# Altium PCB FINAL_PCB_VER1.PcbDoc (part 2 of 4)
Units mil, origin at the board's own origin, x right, y up, seen from the top; angles counter-clockwise.
Board outline 4655 x 4049 mil, 4 copper layers (Top Layer, Mid Layer 1, Mid Layer 2, Bottom Layer), stack 23.756 mil thick; 337 components, 279 nets, 1257 pads, 622 vias.
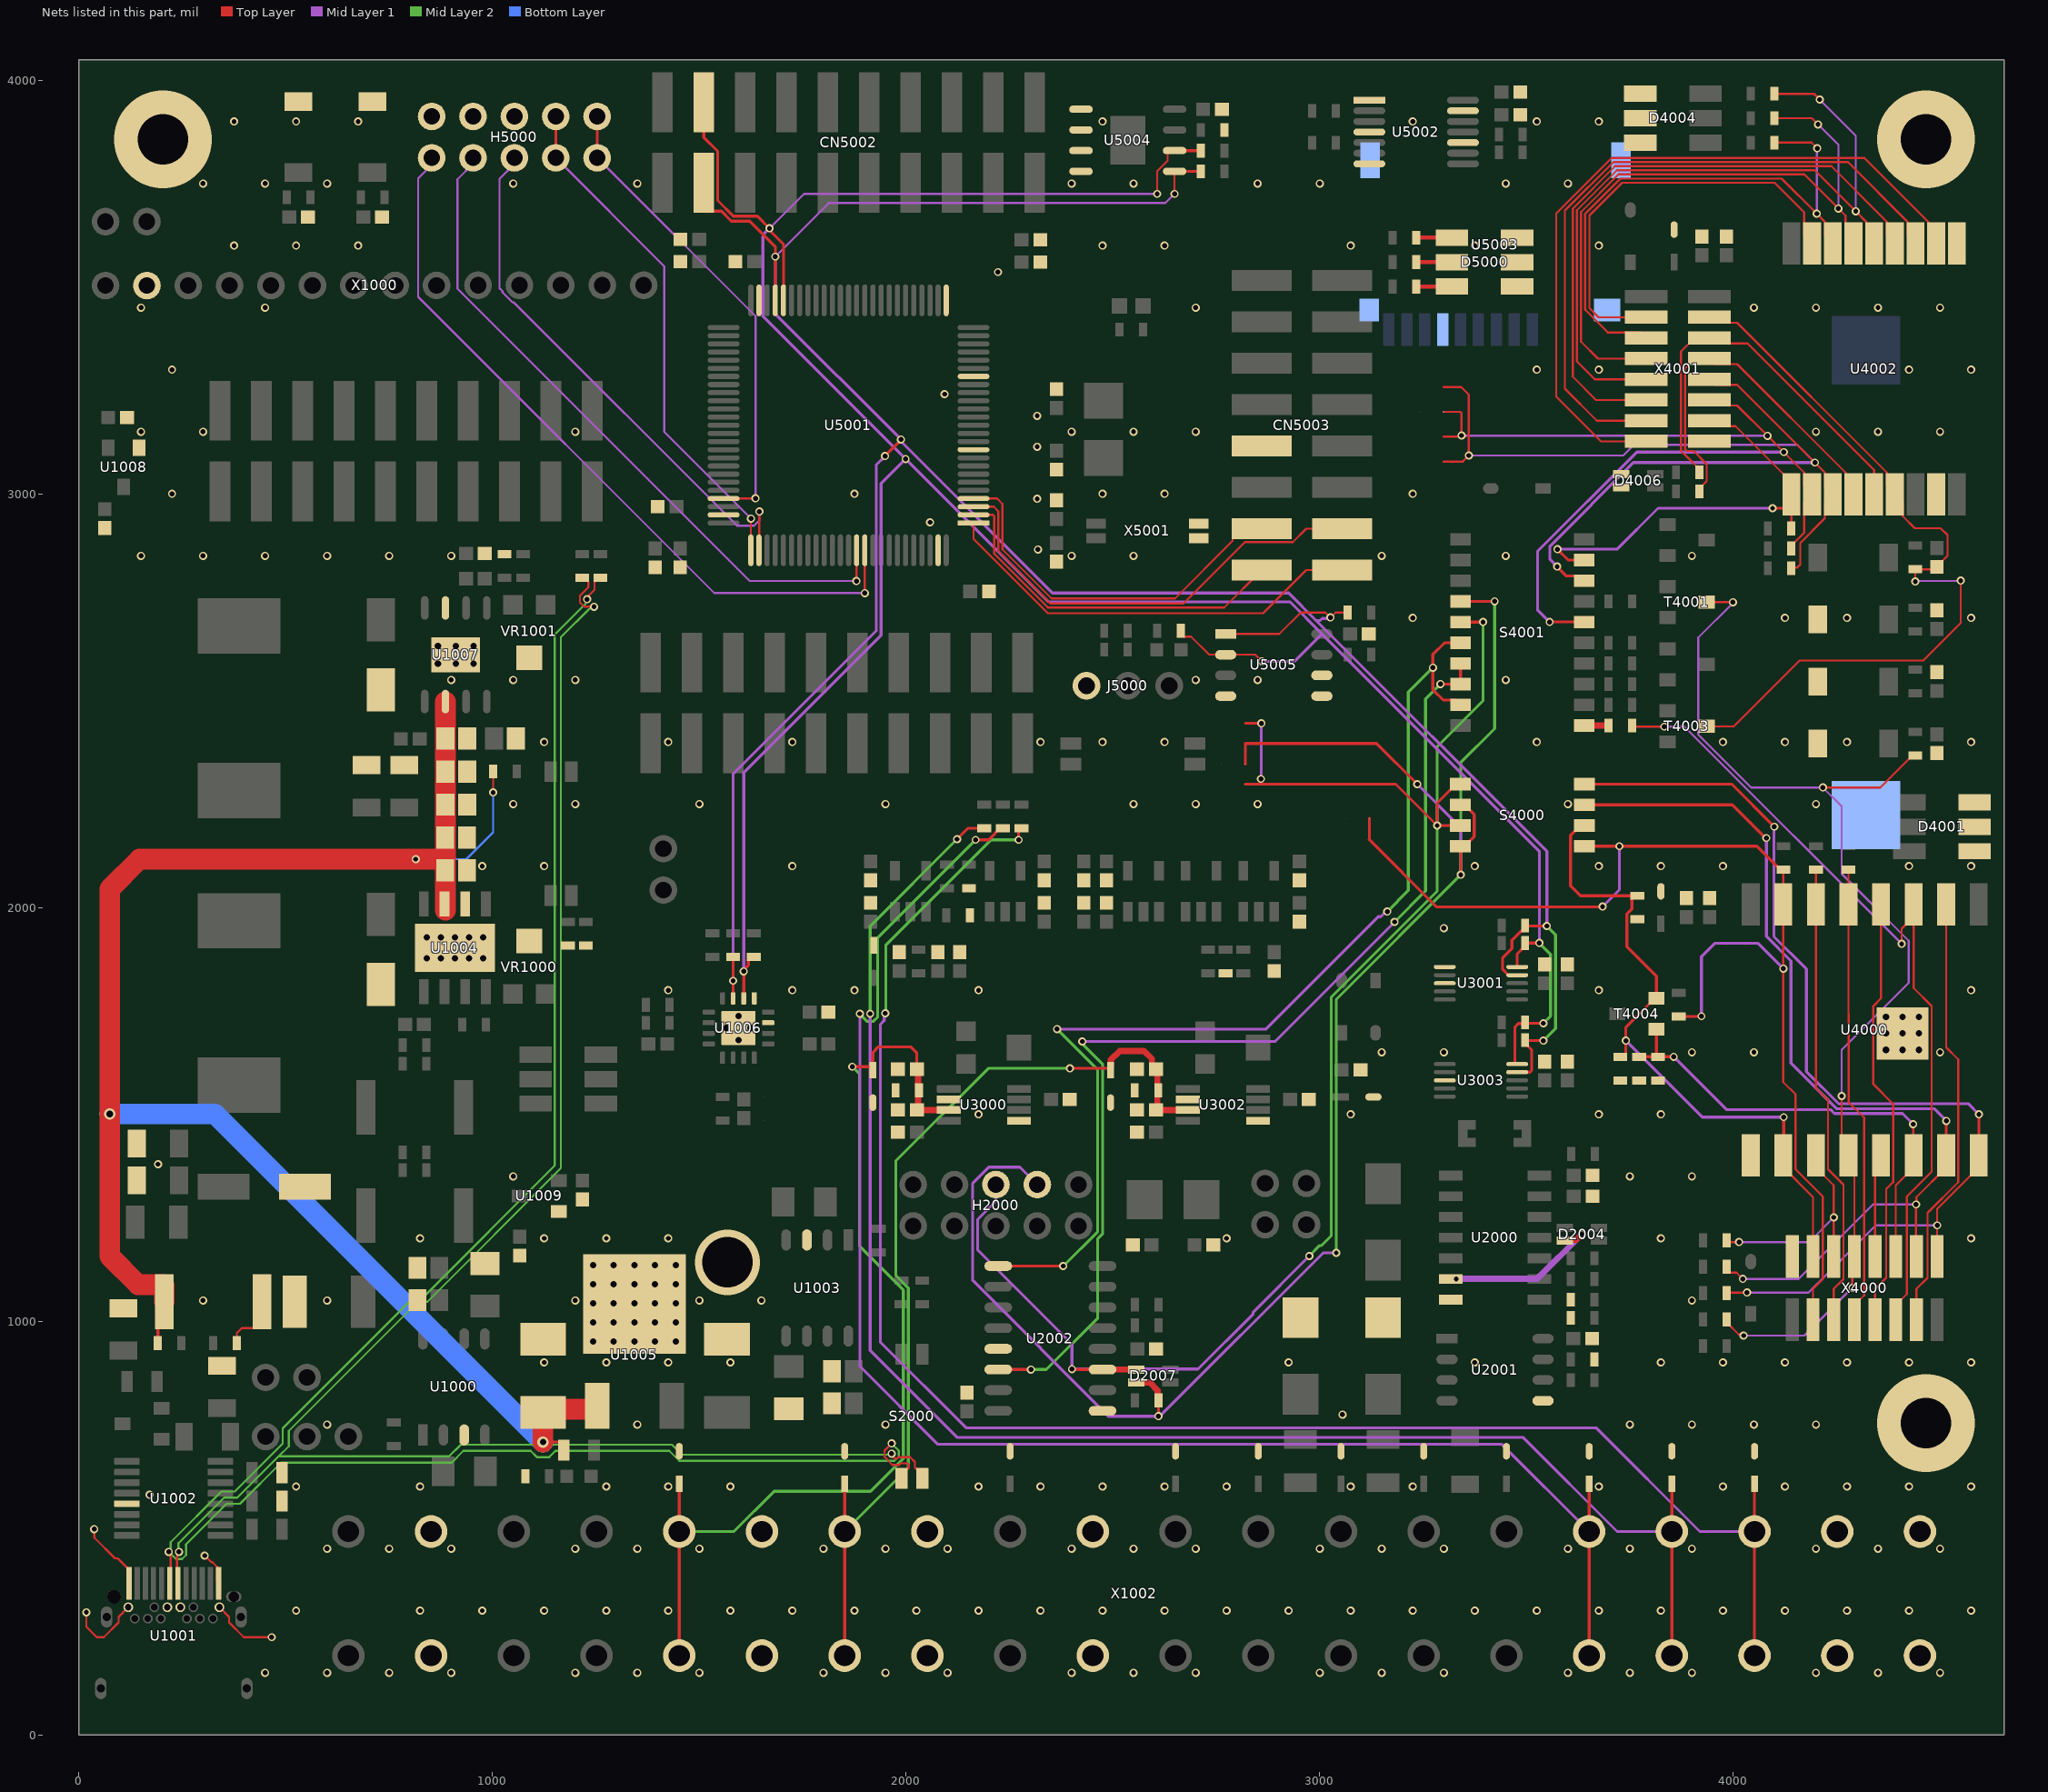
[diagram p4: the nets of this part, all layers, seen from the top]

## Part data (continued)
C1018 C1019 C1020 C1021 C1022 C2000 C2001 C2003 C2004 C3002 C3003 C3004 C3005 C3008 C3009 C3010 C3011 C3014 C3015 C3016 C3019 C3020 C3021 C3022 C3023 C3024 C3025 C3026 C4000 C4001 C4003 C4004 C4009 C4011 C5000 C5001 C5002 C5003 C5004 C5005 C5006 C5013 C5014 C5015 C5016 C5017 C5018: library part FF-1008, "CAP CER SMD 100nF 10% 50V 0603", Power Rate=N/A, Supplier Part Number="10%, 0603 (1608 Metric)", Tolerance=10%, Voltage=50V, Design Item ID=FF-1008, Size=0603, Supplier=THEGIOIIC, Supplier Link=https://www.thegioiic.com/tu-gom-0603-100nf-0-1uf-50v, TH/SMD=SMD, Type="CAP CER"
C1025 C1030: library part FF-1023, "CAP CER SMD 10nF 10% 50V 0805", Power Rate=N/A, Supplier Part Number="10%, 0805 (2012 Metric)", Tolerance=10%, Voltage=50V, Design Item ID=FF-1023, Size=0805, Supplier=THEGIOIIC, Supplier Link=https://www.thegioiic.com/tu-gom-0805-10nf-50v, TH/SMD=SMD, Type="CAP CER"
C1028: library part FF-1028, "CAP CER SMD 47pF 10% 50V 0603", Power Rate=N/A, Supplier Part Number="10%, 0603 (1608 Metric)", Tolerance=10%, Voltage=50V, Design Item ID=FF-1028, Size=0603, Supplier=THEGIOIIC, Supplier Link=https://www.thegioiic.com/tu-gom-0603-47pf-50v, TH/SMD=SMD, Type="CAP CER"
C1029: library part FF-1015, "CAP CER SMD 1nF 10% 50V 0603", Power Rate=N/A, Supplier Part Number="10%, 0603 (1608 Metric)", Tolerance=10%, Voltage=50V, Design Item ID=FF-1015, Size=0603, Supplier=THEGIOIIC, Supplier Link=https://www.thegioiic.com/tu-gom-0603-1nf-50v, TH/SMD=SMD, Type="CAP CER"
C1031 C1032 C1033 C1034: library part FF-1017, "CAP CER SMD 1uF 10% 50V 0603", Power Rate=N/A, Supplier Part Number="10%, 0603 (1608 Metric)", Tolerance=10%, Voltage=50V, Design Item ID=FF-1017, Size=0603, Supplier=THEGIOIIC, Supplier Link=https://www.thegioiic.com/tu-gom-0603-1uf-50v, TH/SMD=SMD, Type="CAP CER"
C2002: library part FF-1007, "CAP CER SMD 33pF 10% 50V 0603", Power Rate=N/A, Supplier Part Number="10%, 0603 (1608 Metric)", Tolerance=10%, Voltage=50V, Design Item ID=FF-1007, Size=0603, Supplier=THEGIOIIC, Supplier Link=https://www.thegioiic.com/tu-gom-0603-33pf-50v, TH/SMD=SMD, Type="CAP CER"
C2005 C2006: library part FF-1032, "CAP CER SMD 22pF 10% 50V 0603", Power Rate=N/A, Supplier Part Number="10%, 0603 (1608 Metric)", Tolerance=10%, Voltage=50V, Design Item ID=FF-1032, Size=0603, Supplier=THEGIOIIC, Supplier Link=https://www.thegioiic.com/tu-gom-0603-22pf-50v, TH/SMD=SMD, Type="CAP CER"
C3000 C3001 C3006 C3007: library part FF-1003, "CAP CER SMD 0.47uF 10% 50V 0603", Power Rate=N/A, Supplier Part Number="10%, 0603 (1608 Metric)", Tolerance=10%, Voltage=50V, Design Item ID=FF-1003, Size=0603, Supplier=THEGIOIIC, Supplier Link=https://www.thegioiic.com/tu-gom-0603-470nf-50v, TH/SMD=SMD, Type="CAP CER"
C3012 C3017: library part FF-1030, "CAP CER SMD 4.7nF 10% 50V 0603", Power Rate=N/A, Supplier Part Number="10%, 0603 (1608 Metric)", Tolerance=10%, Voltage=50V, Design Item ID=FF-1030, Size=0603, Supplier=THEGIOIIC, Supplier Link=https://www.thegioiic.com/tu-gom-0603-4-7nf-50v, TH/SMD=SMD, Type="CAP CER"
C3013 C3018: library part FF-1031, "CAP CER SMD 22nF 10% 50V 0603", Power Rate=N/A, Supplier Part Number="10%, 0603 (1608 Metric)", Tolerance=10%, Voltage=50V, Design Item ID=FF-1031, Size=0603, Supplier=THEGIOIIC, Supplier Link=https://www.thegioiic.com/tu-gom-0603-22nf-50v, TH/SMD=SMD, Type="CAP CER"
C4002 C4010: library part FF-1021, "CAP CER SMD 10uF 10% 25V 0603", Power Rate=N/A, Supplier Part Number="10%, 0603 (1608 Metric)", Tolerance=10%, Voltage=25V, Design Item ID=FF-1021, Size=0603, Supplier=THEGIOIIC, Supplier Link=https://www.thegioiic.com/tu-gom-0603-10uf-25v, TH/SMD=SMD, Type="CAP CER"
C5007 C5008: library part FF-1013, "CAP CER SMD 1.5pF 10% 50V 0603", Power Rate=N/A, Supplier Part Number="10%, 0603 (1608 Metric)", Tolerance=10%, Voltage=50V, Design Item ID=FF-1013, Size=0603, Supplier=THEGIOIIC, Supplier Link=https://www.thegioiic.com/tu-gom-0603-1-5pf-50v, TH/SMD=SMD, Type="CAP CER"
C5009 C5010: library part FF-1004, "CAP CER SMD 2.2uF 10% 50V 0603", Power Rate=N/A, Supplier Part Number="10%, 0603 (1608 Metric)", Tolerance=10%, Voltage=50V, Design Item ID=FF-1004, Size=0603, Supplier=THEGIOIIC, Supplier Link=https://www.thegioiic.com/tu-gom-0603-2-2uf-50v, TH/SMD=SMD, Type="CAP CER"
C5011 C5012: library part FF-1014, "CAP CER SMD 3.9pF 10% 50V 0603", Power Rate=N/A, Tolerance=10%, Voltage=50V, Design Item ID=FF-1014, Size=0603, Supplier=N/A, Supplier Link=N/A, Supplier Part Number=N/A, TH/SMD=SMD, Type="CAP CER"
CN5000 CN5001 CN5002: library part FF-3025, Power Rate=N/A, Design Item ID=FF-3025, Size=N/A, Supplier=N/A, Supplier Link=N/A, Supplier Part Number=N/A, TH/SMD=SMD, Tolerance=N/A, Type=CONNECTOR, Voltage=N/A
CN5003: library part FF-3021, Power Rate=N/A, Supplier Part Number="Hàng Rào Đực Đôi 2.54mm 80 Chân 2 Hàng SMD", Design Item ID=FF-3021, Size=8X2X2.54MM, Supplier=THEGIOIIC, Supplier Link=https://www.thegioiic.com/hang-rao-duc-doi-2-54mm-80-chan-2-hang-smd, TH/SMD=SMD, Tolerance=N/A, Type=CONNECTOR, Voltage=N/A
D1000 D5001: library part FF-4011, "LED RED 0603", Power Rate=N/A, Supplier Part Number="LED Đỏ 0603 Dán SMD Trong Suốt", Design Item ID=FF-4011, Size=0603, Supplier=THEGIOIIC, Supplier Link=https://www.thegioiic.com/led-do-0603-dan-smd-trong-suot, TH/SMD=SMD, Tolerance=N/A, Type=LED, Voltage=N/A
D1001 D1002: library part FF-4005, "Size A, DIODE SCHOTTKY 1A 40V SMA", Power Rate=N/A, Supplier Part Number=SS14, Design Item ID=FF-4005, Size=DO-214AC, Supplier=THEGIOIIC, Supplier Link=https://www.thegioiic.com/ss14-sma-diode-schottky-1a-1n5819, TH/SMD=SMD, Tolerance=N/A, Type="DIODE SCHOTTKY", Voltage=N/A
D1003 D4001 D4004 D5000: library part FF-4018, "LED RGB 5050 Dán SMD Trong Suốt", Power Rate=N/A, Design Item ID=FF-4018, Size=5050, Supplier=THEGIOIIC, Supplier Link=https://www.thegioiic.com/led-rgb-5050-dan-smd-trong-suot, Supplier Part Number="LED RGB 5050 Dán SMD Trong Suốt", TH/SMD=SMD, Tolerance=N/A, Type="LED RGB", Voltage=N/A
D1004 D1005 D1006 D1007 D1008 D1009 D1010 D1013 D1014 D1015 D1018 D3000 D3001 D4002 D4007 TVS3000 TVS3001: library part FF-4015, "Package SOD323, Diode TVS, 50pF, 29.5V", Power Rate=N/A, Voltage=29.5V, Design Item ID=FF-4015, Size=SOD-323, Supplier=THEGIOIIC, Supplier Link=https://www.thegioiic.com/psd12c, Supplier Part Number=PSD12C, TH/SMD=SMD, Tolerance=N/A, Type="TVS DIODE"
D2000 D2001 D2002: library part FF-4014, "TVS DIODE 36V 58.1V DO214AA", Power Rate=N/A, Voltage="36V 58.1V", Design Item ID=FF-4014, Size=DO214AA, Supplier=THEGIOIIC, Supplier Link=https://www.thegioiic.com/smbj36ca, Supplier Part Number=SMBJ36CA, TH/SMD=SMD, Tolerance=N/A, Type="TVS DIODE"
D2003: library part FF-4013, "0.2A, 100V, SOD80", Power Rate=N/A, Voltage=100V, Design Item ID=FF-4013, Size=SOD-80, Supplier=THEGIOIIC, Supplier Link=https://www.thegioiic.com/ll4148-diode-chinh-luu-0-2a-100v, Supplier Part Number=LL4148, TH/SMD=SMD, Tolerance=N/A, Type=DIODE
D2004 D2007 D4006: library part FF-4019, "LED 2 Màu Đỏ, Xanh Dương 0805 Dán SMD Trong Suốt", Power Rate=N/A, Design Item ID=FF-4019, Size=0805, Supplier=THEGIOIIC, Supplier Link=https://www.thegioiic.com/led-2-mau-do-xanh-duong-0805-dan-smd-trong-suot, Supplier Part Number="LED 2 Màu Đỏ, Xanh Dương 0805 Dán SMD Trong Suốt", TH/SMD=SMD, Tolerance=N/A, Type="LED R/B", Voltage=N/A
D3002 D3003 D4000 D4003 D4005: library part FF-4016, "Diode Standard 75V 150mA", Power Rate=N/A, Voltage=75V, Design Item ID=FF-4016, Size=SOD-123, Supplier=THEGIOIIC, Supplier Link=https://www.thegioiic.com/1n4148w-e3-18-diode-gen-purp-75v-150ma-sod123, Supplier Part Number=1N4148W-E3-18, TH/SMD=SMD, Tolerance=N/A, Type=DIODE
F1000: library part FF-4009, "Size: 4.55x3.24 mm, -40°C ~ 85°C", Power Rate=N/A, Supplier Part Number=MF-MSMF250/16, Voltage=16V, Design Item ID=FF-4009, Size=1812, Supplier Link=https://www.thegioiic.com/mf-msmf250-16-cau-chi-tu-phuc-hoi-1812-16v-2-5a, TH/SMD=SMD, Tolerance=N/A, Type=FUSE
F1001 F2000 F2001: library part FF-4008, "Size: 3.2x1.6 mm, -40°C ~ 85°C", Power Rate=N/A, Supplier Part Number=MF-NSMF200-2, Voltage=6V, Design Item ID=FF-4008, Size=1206, Supplier=THEGIOIIC, Supplier Link=https://www.thegioiic.com/mf-nsmf200-2-cau-chi-tu-phuc-hoi-1206-6v-2a, TH/SMD=SMD, Tolerance=N/A, Type=FUSE
H1000: library part FF-4010, Power Rate=N/A, Design Item ID=FF-4010, Size=N/A, Supplier=N/A, Supplier Link=N/A, Supplier Part Number=N/A, TH/SMD=TH, Tolerance=N/A, Type=JUMPER, Voltage=N/A
H2000 H5000: library part FF-3020, Power Rate=N/A, Design Item ID=FF-3020, Size="5X2 X 2.54mm", Supplier=N/A, Supplier Link=N/A, Supplier Part Number=N/A, TH/SMD=TH, Tolerance=N/A, Type=JUMPER, Voltage=N/A
J1000 J1001 J1002: library part FF-3015, Power Rate=N/A, Design Item ID=FF-3015, Size="2 X 2.54mm", Supplier=N/A, Supplier Link=N/A, Supplier Part Number=N/A, TH/SMD=TH, Tolerance=N/A, Type=JUMPER, Voltage=N/A
J2000: library part FF-3019, Power Rate=N/A, Design Item ID=FF-3019, Size="2X2 X 2.54mm", Supplier=N/A, Supplier Link=N/A, Supplier Part Number=N/A, TH/SMD=TH, Tolerance=N/A, Type=JUMPER, Voltage=N/A
J5000: library part FF-3014, Power Rate=N/A, Design Item ID=FF-3014, Size="2 X 2.54mm", Supplier=N/A, Supplier Link=N/A, Supplier Part Number=N/A, TH/SMD=TH, Tolerance=N/A, Type=JUMPER, Voltage=N/A
L1000: library part FF-4025, "20%, size 12X12X7 mm 22uH - 3A", Power Rate=3A, Supplier Part Number=N/A, Design Item ID=FF-4025, Size="INDUCTOR 1280", Supplier=N/A, Supplier Link=N/A, TH/SMD=SMD, Tolerance=N/A, Type=INDUCTOR, Voltage=N/A
L1001: library part FF-4026, "20%, size 12X12X7 mm 6.8uH - 3A", Power Rate=3A, Supplier Part Number=N/A, Design Item ID=FF-4026, Size="INDUCTOR 1281", Supplier=N/A, Supplier Link=N/A, TH/SMD=SMD, Tolerance=N/A, Type=INDUCTOR, Voltage=N/A
R1000 R1007: library part FF-0004, "RESISTOR SMD 0R OHM 1% 125mW 0805", Power Rate=125mW, Supplier Part Number="0R0, 1/8W", Tolerance=1%, Voltage=N/A, Design Item ID=FF-0004, Size=0805, Supplier=THEGIOIIC, Supplier Link=https://www.thegioiic.com/dien-tro-0-ohm-0805-1-, TH/SMD=SMD, Type=RESISTOR
R1001 R1006 R4016 R5000: library part FF-0003, "RESISTOR SMD 0R OHM 1% 100mW 0603", Power Rate=100mW, Supplier Part Number="0R0, 1/10W", Tolerance=1%, Voltage=N/A, Design Item ID=FF-0003, Size=0603, Supplier=THEGIOIIC, Supplier Link=https://www.thegioiic.com/dien-tro-0-ohm-0603-1-, TH/SMD=SMD, Type=RESISTOR
R1002: library part FF-0032, "RESISTOR SMD 100R OHM 1% 250mW 1206", Power Rate=250mW, Supplier Part Number="1000, 1/4W", Tolerance=1%, Voltage=N/A, Design Item ID=FF-0032, Size=1206, Supplier=THEGIOIIC, Supplier Link=https://www.thegioiic.com/dien-tro-100-ohm-1206-1-, TH/SMD=SMD, Type=RESISTOR
R1003: library part FF-0030, "RESISTOR SMD 100KR OHM 1% 125mW 0805", Power Rate=125mW, Supplier Part Number="104, 1/8W", Tolerance=1%, Voltage=N/A, Design Item ID=FF-0030, Size=0805, Supplier=THEGIOIIC, Supplier Link=https://www.thegioiic.com/dien-tro-100-kohm-0805-1-, TH/SMD=SMD, Type=RESISTOR
R1004 R1005: library part FF-0019, "RESISTOR SMD 5.1KR OHM 1% 125mW 0805", Power Rate=125mW, Supplier Part Number="512, 1/8W", Tolerance=1%, Voltage=N/A, Design Item ID=FF-0019, Size=0805, Supplier=THEGIOIIC, Supplier Link=https://www.thegioiic.com/dien-tro-5-1-kohm-0805-1-, TH/SMD=SMD, Type=RESISTOR
R1008 R1018 R1019 R1020 R5005 R5006 R5007 R5011: library part FF-0001, "RESISTOR SMD 680R OHM 5% 100mW 0603", Power Rate=100mW, Supplier Part Number="681, 1/10W", Tolerance=5%, Voltage=N/A, Design Item ID=FF-0001, Size=0603, Supplier=THEGIOIIC, Supplier Link=https://www.thegioiic.com/dien-tro-680-ohm-0603-5-, TH/SMD=SMD, Type=RESISTOR
R1009 R1024: library part FF-0045, "RESISTOR SMD 10.2KR OHM 1% 100mW 0603", Power Rate=100mW, Supplier Part Number="Code 1022, 1/10W", Tolerance=1%, Voltage=N/A, Design Item ID=FF-0045, Size=0603, Supplier=THEGIOIIC, Supplier Link=https://www.thegioiic.com/dien-tro-10-2-kohm-0603-1-, TH/SMD=SMD, Type=RESISTOR
R1010 R1012 R1014 R1016 R1021 R1025: library part FF-0007, "RESISTOR SMD 2.2R OHM 5% 100mW 0603", Power Rate=100mW, Supplier Part Number="2R2, 1/10W", Tolerance=5%, Voltage=N/A, Design Item ID=FF-0007, Size=0603, Supplier=THEGIOIIC, Supplier Link=https://www.thegioiic.com/dien-tro-2-2-ohm-0603-5-, TH/SMD=SMD, Type=RESISTOR
R1011 R1015 R1023: library part FF-0015, "RESISTOR SMD 0.1R OHM 1% 3W 2512", Power Rate=3W, Supplier Part Number=N/A, Tolerance=1%, Design Item ID=FF-0015, Size=2512, Supplier=N/A, Supplier Link=https://shopee.vn/Set-10-%C4%91i%E1%BB%87n-tr%E1%BB%9F-2512-SMD-3W-1-0.001R-0.01R-0.012R-0.03R-0.05R-0.06R-0.1R-0.2R-0.22R-0.3R-0.33R-0.5R-Ohm-i.81431289.21754478570?sp_atk=b639e265-1957-4573-9bf4-bd9b7052cf00&xptdk=b639e265-1957-4573-9bf4-bd9b7052cf00, TH/SMD=SMD, Type=RESISTOR, Voltage=N/A
R1013 R1022 R1027 R1028 R1029 R3000 R3001 R3004 R3005 R4001 R4002 R4003 R4008 R4012 R4013 R4014 R4015 R4029 R5002 R5003: library part FF-0020, "RESISTOR SMD 10KR OHM 1% 100mW 0603", Power Rate=100mW, Supplier Part Number="103, 1/10W", Tolerance=1%, Voltage=N/A, Design Item ID=FF-0020, Size=0603, Supplier=THEGIOIIC, Supplier Link=https://www.thegioiic.com/dien-tro-10-kohm-0603-1-, TH/SMD=SMD, Type=RESISTOR
R1017: library part FF-0026, "RESISTOR SMD 47KR OHM 1% 100mW 0603", Power Rate=100mW, Supplier Part Number="473, 1/10W", Tolerance=1%, Voltage=N/A, Design Item ID=FF-0026, Size=0603, Supplier=THEGIOIIC, Supplier Link=https://www.thegioiic.com/dien-tro-47-kohm-0603-1-, TH/SMD=SMD, Type=RESISTOR
R1026: library part FF-0044, "RESISTOR SMD 29.4KR OHM 1% 100mW 0603", Power Rate=100mW, Supplier Part Number=N/A, Tolerance=1%, Design Item ID=FF-0044, Size=0603, Supplier=N/A, Supplier Link=https://shopee.vn/100-Chip-%C4%91i%E1%BB%87n-tr%E1%BB%9F-0402-0603-0805-1206-SMD-24.9K-25.5K-26.1K-26.7K-27K-27.4K-28K-28.7K-29.4K-30K-30.1K-30.9K-Ohm-1--i.384840934.3027056898, TH/SMD=SMD, Type=RESISTOR, Voltage=N/A
R2000 R2001 R2002 R2005 R4000 R4004 R4005 R4019 R4020 R4021 R4027 R4030 R5004 R5009 R5016 R5030 R5031 R5032: library part FF-0016, "RESISTOR SMD 4.7KR OHM 1% 100mW 0603", Power Rate=100mW, Supplier Part Number="472, 1/10W", Tolerance=1%, Voltage=N/A, Design Item ID=FF-0016, Size=0603, Supplier=THEGIOIIC, Supplier Link=https://www.thegioiic.com/dien-tro-4-7-kohm-0603-1-, TH/SMD=SMD, Type=RESISTOR
R2003: library part FF-0033, "RESISTOR SMD 120R OHM 1% 250mW 1206", Power Rate=250mW, Supplier Part Number="121, 1/4W", Tolerance=1%, Voltage=N/A, Design Item ID=FF-0033, Size=1206, Supplier=THEGIOIIC, Supplier Link=https://www.thegioiic.com/dien-tro-120-ohm-1206-1-, TH/SMD=SMD, Type=RESISTOR
R2004: library part FF-0025, "RESISTOR SMD 22KR OHM 1% 100mW 0603", Power Rate=100mW, Supplier Part Number="223, 1/10W", Tolerance=1%, Voltage=N/A, Design Item ID=FF-0025, Size=0603, Supplier=THEGIOIIC, Supplier Link=https://www.thegioiic.com/dien-tro-22-kohm-0603-1-, TH/SMD=SMD, Type=RESISTOR
R2006 R2007: library part FF-0009, "RESISTOR SMD 2.2KR OHM 1% 100mW 0603", Power Rate=100mW, Supplier Part Number="222, 1/10W", Tolerance=1%, Voltage=N/A, Design Item ID=FF-0009, Size=0603, Supplier=THEGIOIIC, Supplier Link=https://www.thegioiic.com/dien-tro-2-2-kohm-0603-1-, TH/SMD=SMD, Type=RESISTOR
R2008 R2009 R2010: library part FF-0037, "RESISTOR SMD 1KR OHM 1% 100mW 0603", Power Rate=100mW, Supplier Part Number="Code 102, 1/10W", Tolerance=1%, Voltage=N/A, Design Item ID=FF-0037, Size=0603, Supplier=THEGIOIIC, Supplier Link=https://www.thegioiic.com/dien-tro-1-kohm-0603-1-, TH/SMD=SMD, Type=RESISTOR
R2012 R2014: library part FF-0028, "RESISTOR SMD 47R OHM 1% 100mW 0603", Power Rate=100mW, Supplier Part Number="47R (Code 470), 1/10W", Tolerance=1%, Voltage=N/A, Design Item ID=FF-0028, Size=0603, Supplier=THEGIOIIC, Supplier Link=https://www.thegioiic.com/dien-tro-47-ohm-0603-1-, TH/SMD=SMD, Type=RESISTOR
R3002 R3003: library part FF-0011, "RESISTOR SMD 1R OHM 1% 100mW 0603", Power Rate=100mW, Supplier Part Number="1R0, 1/10W", Tolerance=1%, Voltage=N/A, Design Item ID=FF-0011, Size=0603, Supplier=THEGIOIIC, Supplier Link=https://www.thegioiic.com/dien-tro-1-ohm-0603-1-, TH/SMD=SMD, Type=RESISTOR
R3006 R3009 R3010 R4028: library part FF-0029, "RESISTOR SMD 100KR OHM 1% 100mW 0603", Power Rate=100mW, Supplier Part Number="104, 1/10W", Tolerance=1%, Voltage=N/A, Design Item ID=FF-0029, Size=0603, Supplier=THEGIOIIC, Supplier Link=https://www.thegioiic.com/dien-tro-100-kohm-0603-1-, TH/SMD=SMD, Type=RESISTOR
R3007 R3008 R3011 R3012: library part FF-0036, "RESISTOR SMD 200KR OHM 1% 100mW 0603", Power Rate=100mW, Supplier Part Number="2003, 1/10W", Tolerance=1%, Voltage=N/A, Design Item ID=FF-0036, Size=0603, Supplier=THEGIOIIC, Supplier Link=https://www.thegioiic.com/dien-tro-200-kohm-0603-1-, TH/SMD=SMD, Type=RESISTOR
R4006 R4007 R4017 R4018: library part FF-0049, "RESISTOR SMD 22R OHM 1% 100mW 0603", Power Rate=100mW, Supplier Part Number="22R (Code 220), 1/10W", Tolerance=1%, Voltage=N/A, Design Item ID=FF-0049, Size=0603, Supplier=THEGIOIIC, Supplier Link=https://www.thegioiic.com/dien-tro-22-ohm-0603-1-, TH/SMD=SMD, Type=RESISTOR
R4009 R4010 R4011 R4022 R4023 R4024 R4025 R4026: library part FF-0050, "RESISTOR SMD 470R OHM 1% 100mW 0603", Power Rate=100mW, Supplier Part Number="Code 471, 1/10W", Tolerance=1%, Voltage=N/A, Design Item ID=FF-0050, Size=0603, Supplier=THEGIOIIC, Supplier Link=https://www.thegioiic.com/dien-tro-470-ohm-0603-1-, TH/SMD=SMD, Type=RESISTOR
R5001 R5008 R5010 R5014 R5015 R5017: library part FF-0022, "RESISTOR SMD 20R OHM 1% 100mW 0603", Power Rate=100mW, Supplier Part Number="20R (Code 200), 1/10W", Tolerance=1%, Voltage=N/A, Design Item ID=FF-0022, Size=0603, Supplier=THEGIOIIC, Supplier Link=https://www.thegioiic.com/dien-tro-20-ohm-0603-1-, TH/SMD=SMD, Type=RESISTOR
R5026 R5027 R5028 R5029: library part FF-0051, "RESISTOR SMD 3.3KR OHM 1% 100mW 0603", Power Rate=100mW, Supplier Part Number="Điện Trở 3.3 KOhm 0603 1%", Tolerance=1%, Voltage=N/A, Design Item ID=FF-0051, Size=0603, Supplier=THEGIOIIC, Supplier Link=https://www.thegioiic.com/dien-tro-3-3-kohm-0603-1-, TH/SMD=SMD, Type=RESISTOR
S1000 S2000 S5001: library part FF-3009, "DIP SWITCH 1.27mm 2 CONTACT", Power Rate=N/A, Supplier Part Number="Công Tắc DIP Switch Dán SMD 2 Bit 1.27mm", Design Item ID=FF-3009, Size="2 X 1.27mm", Supplier=THEGIOIIC, Supplier Link=https://www.thegioiic.com/cong-tac-dip-switch-dan-smd-2-bit-1-27mm, TH/SMD=SMD, Tolerance=N/A, Type=SWITCH, Voltage=N/A
S4000: library part FF-3011, "DIP SWITCH 1.27mm 4PIN", Power Rate=N/A, Supplier Part Number="Công Tắc DIP Switch Dán SMD 1 Bit 1.27mm", Design Item ID=FF-3011, Size="4 X 1.27mm", Supplier=THEGIOIIC, Supplier Link=https://www.thegioiic.com/cong-tac-dip-switch-dan-smd-4-bit-1-27mm, TH/SMD=SMD, Tolerance=N/A, Type=SWITCH, Voltage=N/A
S4001: library part FF-3013, "DIP SWITCH 1.27mm 10PIN", Power Rate=N/A, Supplier Part Number="Công Tắc DIP Switch Dán SMD 10 Bit 1.27mm", Design Item ID=FF-3013, Size="10 X 1.27mm", Supplier=THEGIOIIC, Supplier Link=https://www.thegioiic.com/cong-tac-dip-switch-dan-smd-10-bit-1-27mm, TH/SMD=SMD, Tolerance=N/A, Type=SWITCH, Voltage=N/A
SB1000 SB5000 SB5001 SB5002 SB5003 SB5004 SB5005 SB5006 SB5007 SB5008 SB5009 SB5010 SB5011 SB5012 SB5013 SB5014 SB5015: library part FF-0052, "RESISTOR SMD 0R OHM 1% 100mW 0603", Power Rate=100mW, Supplier Part Number=N/A, Tolerance=1%, Design Item ID=FF-0052, Size=0603, Supplier=THEGIOIIC, Supplier Link=N/A, TH/SMD=SMD, Type=RESISTOR, Voltage=N/A
T1000 T4004: library part FF-4001, "20V N-Channel Enhancement-Mode MOSFET", Power Rate=N/A, Voltage=20V, Design Item ID=FF-4001, Size=SOT23-3, Supplier=THEGIOIIC, Supplier Link=https://www.thegioiic.com/ln2302lt1g-mosfet-kenh-n, Supplier Part Number=LN2302LT1G, TH/SMD=SMD, Tolerance=N/A, Type=TRANSISTOR
T4000 T4001 T4002 T4003: library part FF-4024, "2SC1815-HF Transistor NPN 50V 0.15A", Power Rate=0.15A, Supplier Part Number="2SC1815-HF Transistor NPN 50V 0.15A 3 Chân SOT-23", Tolerance=N/A, Voltage=50V, Design Item ID=FF-4024, Size=SOT23-3, Supplier=THEGIOIIC, Supplier Link=https://www.thegioiic.com/2sc1815-hf-transistor-npn-50v-0-15a-3-chan-sot-23, TH/SMD=SMD, Type=Transistor
U1000 U1003: library part FF-2004, "CMOS Voltage Converter", Power Rate=N/A, Design Item ID=FF-2004, Size=SOP-8, Supplier=SELF, Supplier Link=https://shopee.vn/ICL7662CBA-ICL7662-7662-SOP8-m%E1%BB%9Bi-(con)-i.193855127.10606790306?sp_atk=25ed1cbb-cd35-43c0-af45-c904425b01eb&xptdk=25ed1cbb-cd35-43c0-af45-c904425b01eb, TH/SMD=SMD, Tolerance=N/A, Type=IC, Voltage=N/A
U1001: library part FF-3001, "TYPE C 3.1 24 PIN", Power Rate=N/A, Design Item ID=FF-3001, Size=N/A, Supplier=THEGIOIIC, Supplier Link=https://www.thegioiic.com/cong-usb-cai-3-1-type-c-24-chan-cong-90-do, Supplier Part Number=N/A, TH/SMD=TH/SMD, Tolerance=N/A, Type=CONNECTOR, Voltage=N/A
U1002: library part FF-2013, "TYPEC/PD2.0/PD3.0 Physical Layer IC for USB TYPEC input Interfaces", Power Rate=N/A, Design Item ID=FF-2013, Size=TSSOP-16, Supplier=SELF, TH/SMD=SMD, Tolerance=N/A, Type=IC, Voltage=N/A
U1004: library part FF-2012, "TPS543x 3-A, Wide Input Range, Step-Down Converter", Power Rate=N/A, Design Item ID=FF-2012, Size="SO PowerPAD", Supplier Link=https://shopee.vn/Combo-5-con-IC-ngu%E1%BB%93n-TPS5430-%C4%91%E1%BA%A7u-v%C3%A0o-5.5V-%C4%91%E1%BA%BFn-36V-3A-b%E1%BB%99-%C4%91i%E1%BB%81u-ch%E1%BB%89nh-gi%E1%BA%A3m-%C4%91i%E1%BB%87n-%C3%A1p-500kHz-i.682040620.19643083810?sp_atk=3768dd41-fafc-439a-93aa-7, TH/SMD=SMD, Tolerance=N/A, Type=IC, Voltage=N/A
U1005: library part FF-2014, "1.5 A adjustable and fixed low drop positive voltage regulator", Power Rate=N/A, Design Item ID=FF-2014, Size=DPAK, Supplier=THEGIOIIC, Supplier Link=https://www.thegioiic.com/ld1086dt12-ic-on-ap-12v-1-5a, Supplier Part Number=LD1086DT12, TH/SMD=SMD, Tolerance=N/A, Type=IC, Voltage=N/A
U1006: library part FF-2006, "INA3221 Triple-Channel, High-Side Measurement, Shunt and Bus Voltage Monitor with I2C- and SMBUS-Compatible Interface", Power Rate=N/A, Design Item ID=FF-2006, Size=VQFN-16, Supplier=SELF, TH/SMD=SMD, Tolerance=N/A, Type=IC, Voltage=N/A
U1007: library part FF-2015, "TPS54331 3-A, 28-V Input, Step Down DC-DC Converter With Eco-mode", Power Rate=N/A, Design Item ID=FF-2015, Size=SOIC-8, Supplier=THEGIOIIC, Supplier Link=https://www.thegioiic.com/tps54331dr-ic-dieu-chinh-giam-ap-3a-8-soic, Supplier Part Number=TPS54331DR, TH/SMD=SMD, Tolerance=N/A, Type=IC, Voltage=N/A
U1008 U1009: library part FF-2024, "MCP1700T-5002E/MB Low Quiescent Current LDO", Power Rate=250mA, Supplier Part Number="MCP1700T-5002E/MB IC Ổn Áp 5V 250mA", Tolerance=N/A, Voltage=6-6.9VDC, Design Item ID=FF-2024, Size=SOT-23, Supplier=THEGIOIIC, Supplier Link=https://www.thegioiic.com/mcp1700t-5002e-mb-ic-on-ap-5v-250ma, TH/SMD=SMD, Type=IC
U2000: library part FF-2001, "Inverters HEX INV SCHMITT TRIG", Power Rate=N/A, Supplier Part Number=74HC14D,652, Design Item ID=FF-2001, Size=SOIC-14, Supplier=THEGIOIIC, Supplier Link=https://www.thegioiic.com/74hc14d-652-hex-schmitt-trigger-inverter-14-soic, TH/SMD=SMD, Tolerance=N/A, Type=IC, Voltage=N/A
U2001: library part FF-2009, "3.3V, 10Mbps Half-Duplex RS-485/RS-422 Transceivers", Power Rate=N/A, Design Item ID=FF-2009, Size=SOP-8, Supplier=THEGIOIIC, TH/SMD=SMD, Tolerance=N/A, Type=IC, Voltage=N/A
U2002: library part FF-2021, "CH340G USB to UART Interface", Power Rate=N/A, Design Item ID=FF-2021, Size=SOP-16, Supplier=THEGIOIIC, Supplier Link=https://www.thegioiic.com/ch340g, Supplier Part Number=CH340G, TH/SMD=SMD, Tolerance=N/A, Type=IC, Voltage=N/A
U3000 U3002: library part FF-2005, "INA333 Micro-Power (50μA), Zerø-Drift, Rail-to-Rail Out Instrumentation Amplifier", Power Rate=N/A, Design Item ID=FF-2005, Size=VSSOP-8, Supplier=SELF, TH/SMD=SMD, Tolerance=N/A, Type=IC, Voltage=N/A
U3001 U3003: library part FF-2002, "ADS111x Ultra-Small, Low-Power, I2C-Compatible, 860-SPS, 16-Bit ADCs With Internal Reference, Oscillator, and Programmable Comparator", Power Rate=N/A, Design Item ID=FF-2002, Size=VSSOP-10, Supplier=SELF, TH/SMD=SMD, Tolerance=N/A, Type=IC, Voltage=N/A
U3004 U3005 U3006 U3007 U3008: library part FF-2010, "OPAx333 1.8-V, microPower, CMOS Operational Amplifiers, Zero-Drift Series", Power Rate=N/A, Design Item ID=FF-2010, Size=SOT23-5, Supplier=SELF, Supplier Link=https://shopee.vn/(10-C%C3%A1i)-Chip-100-Opa333Aidvr-OPA333-Oxq-sot23-5-M%E1%BB%9Bi-i.1003955517.21782141850?sp_atk=4701d033-6a8f-4bdf-a833-fbc55ec2f47d&xptdk=4701d033-6a8f-4bdf-a833-fbc55ec2f47d, TH/SMD=SMD, Tolerance=N/A, Type=IC, Voltage=N/A
U4000: library part FF-2018, "ESP-07S WiFi module", Power Rate=N/A, Supplier Part Number="ESP-07S AI-Thinker ESP8266 Mạch Thu Phát WiFi", Design Item ID=FF-2018, Size=ESP-07S, Supplier=THEGIOIIC, Supplier Link=https://www.thegioiic.com/esp-07s-ai-thinker-esp8266-mach-thu-phat-wifi, TH/SMD=SMD, Tolerance=N/A, Type=MODULE, Voltage=N/A
U4002: library part FF-2019, "803 - 930MHz LORAWAN MODULE", Power Rate=N/A, Design Item ID=FF-2019, Size=RA-08H, Supplier=N/A, Supplier Link=N/A, Supplier Part Number=N/A, TH/SMD=SMD, Tolerance=N/A, Type=MODULE, Voltage=N/A
U5000: library part FF-3017, "BS-6 Đế Pin CR2032 CR2025 Dán SMD", Power Rate=N/A, Design Item ID=FF-3017, Size=BS-6, Supplier=THEGIOIIC, Supplier Link=https://www.thegioiic.com/bs-6-de-pin-cr2032-cr2025-dan-smd, Supplier Part Number="BS-6 Đế Pin CR2032 CR2025 Dán SMD", TH/SMD=SMD/TH, Tolerance=N/A, Type=CONNECTOR, Voltage=N/A
U5001: library part FF-2011, "32-bit Arm® Cortex®-M7 480MHz MCUs, up to 2MB flash, up to 1MB RAM, 46 com. and analog interfaces", Power Rate=N/A, Design Item ID=FF-2011, Size=LQFP-100, Supplier=SELF, TH/SMD=SMD, Tolerance=N/A, Type=IC, Voltage=N/A
U5002: library part FF-2023, "Quad buffer/line driver with 5 V tolerant input/outputs; 3-state", Power Rate=N/A, Design Item ID=FF-2023, Size=TSSOP-14, Supplier=THEGIOIIC, Supplier Link=N/A, Supplier Part Number=74LVC125APW, TH/SMD=SMD, Tolerance=N/A, Type=IC, Voltage=N/A
U5003: library part FF-3016, "SDCARD SLOT 9 PIN PUSH PULL", Power Rate=N/A, Supplier Part Number="MiSD-PP-9P-V2 Khay Thẻ Nhớ MicroSD 9 Chân Push-Push", Design Item ID=FF-3016, Size=MiSD-PP-9P-V2, Supplier=THEGIOIIC, Supplier Link=https://www.thegioiic.com/misd-pp-9p-v2-khay-the-nho-microsd-9-chan-push-push, TH/SMD=SMD/TH, Tolerance=N/A, Type=CONNECTOR, Voltage=N/A
U5004: library part FF-2022, "512K I2C Serial EEPROM", Power Rate=N/A, Design Item ID=FF-2022, Size=SOIC-8, Supplier=THEGIOIIC, Supplier Link=https://www.thegioiic.com/24lc512t-i-sn-ic-eeprom-512kbit-8-soic, Supplier Part Number=24LC512, TH/SMD=SMD, Tolerance=N/A, Type=IC, Voltage=N/A
U5005: library part FF-2025, "Digital temperature sensor and thermal watchdog", Power Rate=N/A, Design Item ID=FF-2025, Size=SOP-8, Supplier=THEGIOIIC, Supplier Link=N/A, Supplier Part Number=LM75BD, TH/SMD=SMD, Tolerance=N/A, Type=IC, Voltage=N/A
VR1000 VR1001: library part FF-0047, "VARIABLE RESISTOR SMD 10KR OHM 20% 150mW N/A", Power Rate=150mW, Supplier Part Number="10K Ohm, 20%", Tolerance=20%, Voltage=N/A, Design Item ID=FF-0047, Size=N/A, Supplier=N/A, Supplier Link=https://www.thegioiic.com/evm3e-103-bien-tro-10-kohm-nut-ao-smd-0-15w, TH/SMD=SMD, Type="VARIABLE RESISTOR"
VR3000 VR3001: library part FF-0048, "VARIABLE RESISTOR SMD 1KR OHM 20% 150mW N/A", Power Rate=150mW, Supplier Part Number="1K Ohm, 20%", Tolerance=20%, Voltage=N/A, Design Item ID=FF-0048, Size=N/A, Supplier=N/A, Supplier Link=https://www.thegioiic.com/evm3e-102-bien-tro-1-kohm-nut-ao-smd-0-15w, TH/SMD=SMD, Type="VARIABLE RESISTOR"
X1000: library part FF-3005, "LCD 2.8inch 240x320 HMI ILI9341", Power Rate=N/A, Design Item ID=FF-3005, Size=N/A, Supplier=THEGIOIIC, Supplier Link=https://www.thegioiic.com/lcd-2-8inch-240x320-hmi-ili9341-cam-ung-dien-tro-giao-tiep-spi, Supplier Part Number="LCD 2.8inch 240x320 HMI ILI9341", TH/SMD=TH, Tolerance=N/A, Type=LCD, Voltage=N/A
X1002: library part FF-3004, "Terminal Block 20", Power Rate=N/A, Voltage=250V, Design Item ID=FF-3004, Size=5.08mm, Supplier=THEGIOIIC, Supplier Link="https://www.thegioiic.com/kf142-5-08-12-r-terminal-block-12-tiep-diem-cam-day-ngang-5-08mm-250v-10a / https://www.thegioiic.com/kf142-5-08-8-r-terminal-block-8-tiep-diem-cam-day-ngang-5-08mm-250v-10a", Supplier Part Number=KF142-5.08-20-R, TH/SMD=TH, Tolerance=N/A, Type=CONNECTOR
X2000: library part FF-4020, "CRYSTAL 12MHz 2PIN SMD 5 x 3.2mm, ±20ppm 12pF", Power Rate=N/A, Supplier Part Number="Thạch Anh 12MHz 5032 2 Chân SMD", Design Item ID=FF-4020, Size=5032, Supplier=THEGIOIIC, Supplier Link=https://www.thegioiic.com/thach-anh-12mhz-5032-2-chan-smd, TH/SMD=SMD, Tolerance=N/A, Type=CRYSTAL, Voltage=N/A
X4000 X4001: library part FF-3008, "Hàng Rào Đực Đôi 1.27mm 60 Chân 2 hàng SMD", Power Rate=N/A, Design Item ID=FF-3008, Size="2 X 1.27mm", Supplier=THEGIOIIC, Supplier Link=https://www.thegioiic.com/hang-rao-duc-doi-1-27mm-60-chan-2-hang-smd, Supplier Part Number="Hàng Rào Đực Đôi 1.27mm 60 Chân 2 hàng SMD", TH/SMD=SMD, Tolerance=N/A, Type=CONNECTOR, Voltage=N/A
X5000: library part FF-4023, "CRYSTAL 25MHz 2PIN SMD 5 x 3.2mm, ±20ppm 12pF", Power Rate=N/A, Supplier Part Number="Thạch Anh 25MHz 5032 2 Chân SMD", Design Item ID=FF-4023, Size=5032, Supplier=THEGIOIIC, Supplier Link=https://www.thegioiic.com/thach-anh-25mhz-5032-2-chan-smd, TH/SMD=SMD, Tolerance=N/A, Type=CRYSTAL, Voltage=N/A
X5001: library part FF-4022, "32.768kHz ±20ppm, 9pF 65kOhm, 7x1.5x1.4 mm", Power Rate=N/A, Supplier Part Number="Thach Anh 32.768KHz MC-146 Crystal 7015 4 Chân", Design Item ID=FF-4022, Size=7015, Supplier=THEGIOIIC, Supplier Link=https://www.thegioiic.com/thach-anh-32-768khz-mc-146-crystal-7015-4-chan, TH/SMD=SMD, Tolerance=N/A, Type=CRYSTAL, Voltage=N/A

## Via types
v1: diameter 19.68, hole 11.81, Top Layer to Bottom Layer, tented both sides, 546 vias
v2: diameter 23.62, hole 15.75, Top Layer to Bottom Layer, tented both sides, 29 vias
v3: diameter 19.68, hole 11.81, Top Layer to Bottom Layer, 18 vias
v4: diameter 23.62, hole 15.75, Top Layer to Bottom Layer, 17 vias
v5: diameter 27.56, hole 15.75, Top Layer to Bottom Layer, 6 vias
v6: diameter 236.22, hole 122.05, Top Layer to Bottom Layer, 3 vias
v7: diameter 51.18, hole 39.37, Top Layer to Bottom Layer, tented both sides, 2 vias
v8: diameter 157.48, hole 122.05, Top Layer to Bottom Layer, 1 vias

## Nets (pads, with @x,y where several pads share a name; then routed paths per layer and width w, separated by ;. In a path a pad name is that pad's centre, name@x,y a point inside that pad or via, vN(x,y) a via of type N, cw(c..) or ccw(c..) an arc to the next point about the centre after c; other vN are vias at no path point)
3Y: D2004.2 U2000.6 | length 409.9
  Top Layer w15: U2000.6@3316.72,1102 v1(3330.25,1102) ; D2004.2@3592.66,1194.25 3595,1196.59 3620.59,1196.59 v1(3634,1210)
  Mid Layer 1 w15: v1(3330.25,1102) 3526,1102 v1(3634,1210)
CH340_CTS#: S4001.6 S4001.9 U2002.9 | length 2602.8
  Top Layer w7: U2002.9@2222.75,1133 v1(2380,1133) ; S4001.9@3340.59,2489.76 3329.13,2501.22 3298.78,2501.22 3273.66,2526.34 v1(3273.66,2579.67) 3273.66,2611.66 3301.76,2639.76 S4001.6@3340.59,2639.76
  Mid Layer 1 w7: v1(2365,1706) 2870.12,1706 3141.87,1977.75 3147.66,1977.75 3159.91,1990 v1(3163.34,1990)
  Mid Layer 2 w7: v1(2365,1706) 2442.66,1628.34 2463.34,1607.66 2463.34,1216.34 v1(2380,1133) ; v1(3163.34,1990) 3214.33,2040.99 3214.33,2520.34 v1(3273.66,2579.67)
CH340_DTR#: U2002.13
CH340_RTS#: S4001.7 S4001.8 U2002.14 | length 2580.5
  Top Layer w7: U2002.14@2222.75,883 v1(2302,883) ; v1(3292,2540) 3340.35,2540 S4001.8@3340.59,2539.76 S4001.7@3340.59,2589.76
  Mid Layer 1 w7: v1(2426.01,1676.01) 2892.01,1676.01 v1(3181,1965)
  Mid Layer 2 w7: v1(2302,883) 2338.95,883 2463.34,1007.39 2463.34,1199.37 2475.34,1211.37 2475.34,1620.66 2455.66,1640.34 2430.38,1665.62 2430.38,1668.21 2426.01,1672.58 v1(2426.01,1676.01) ; v1(3181,1965) 3256,2040 3256,2504 v1(3292,2540)
CH340_RXD: D2007.1 H2000.5 S4000.1 S4000.3 S4001.5 SB5008.1 SB5010.1 U2002.3 | length 4045.4
  Top Layer w7: v1(2401,884) 2402,883 U2002.3@2474.72,883 ; SB5010.1@2819.89,2298 2857.81,2298 ; SB5008.1@2819.89,2445 v1(2859,2445) ; v1(2857.81,2310.68) 2857.81,2298 ; S4000.3@3340,2198 v1(3284,2198) ; S4000.1@3340,2298 3329.96,2298 3284,2252.04 v1(3284,2198) ; S4001.5@3340.59,2689.76 3394.76,2689.76 v1(3395,2690) ; 2857.81,2298 3184,2298 v1(3284,2198)
  Top Layer w15: U2002.3@2474.72,883 D2007.1@2556.62,883
  Mid Layer 1 w7: H2000.5@2217,1330 2217,1289.35 2173,1245.35 2173,1172.06 2401,944.06 v1(2401,884) 2706,884 2839.16,1017.16 2839.16,1021.67 v1(2974.75,1157.25) ; v1(2857.81,2310.68) 2858.4,2311.28 2858.4,2444.4 v1(2859,2445)
  Mid Layer 2 w7: v1(2974.75,1157.25) 3000.33,1182.84 3004.84,1182.84 3028,1206 3028,1782.97 3284,2038.97 v1(3284,2198) 3284,2388.5 3395,2499.5 v1(3395,2690)
CH340_TXD: D2007.3 H2000.7 R2010.1 S4000.2 S4000.4 S4001.4 SB5009.1 SB5011.1 | length 4520.4
  Top Layer w7: R2010.1@2608.15,810.93 2610.25,808.83 2610.25,770.25 v1(2610,770) ; SB5009.1@2819.89,2346.33 SB5011.1@2819.89,2396.33 3137.67,2396.33 v1(3236,2298) ; S4000.2@3340,2248 3350.04,2248 3373.5,2224.54 3373.5,2171.46 3350.04,2148 S4000.4@3340,2148 3341,2147 v1(3341,2079) ; S4001.4@3340.59,2739.76 3340.83,2740 v1(3423,2740)
  Top Layer w15: D2007.3@2556.62,851.5 2589.03,851.5 2608.15,832.38 R2010.1@2608.15,810.93
  Mid Layer 1 w7: H2000.7@2317,1330 2275.04,1371.96 2199.62,1371.96 2161,1333.35 2161,1098.06 2489.06,770 2613.43,770 3008.43,1165 v1(3040,1165) ; v1(3236,2298) 3341,2193 v1(3341,2079)
  Mid Layer 2 w7: v1(3040,1165) 3040,1778 v1(3341,2079) 3341,2350 3423,2432 v1(3423,2740)
CUR_IN_A+: C3000.1 C3001.1 D1004.1 D3000.1 R3002.1 U3000.3 X1002.5 | length 2461.4
  Top Layer w7: X1002.5@1451.41,191.29 X1002.5@1451.41,491.29 D1004.1@1451.41,606.71 ; v1(1870,1615) 1914.42,1615 D3000.1@1919.5,1609.92 ; D3000.1@1919.5,1606.79 D3000.1@1919.5,1609.92 ; C3000.1@2025.83,1609 2025.83,1648.17 2011,1663 1933,1663 1919.5,1649.5 D3000.1@1919.5,1609.92
  Top Layer w15: C3000.1@2025.83,1609 2029.31,1605.51 2029.31,1560.34 R3002.1@2031.66,1558 2029.31,1555.66 2029.31,1513.69 C3001.1@2025.83,1510.2 U3000.3@2103.47,1510.2
  Mid Layer 2 w7: X1002.5@1451.41,491.29 1583.71,491.29 1680.86,588.43 1913.9,588.43 1993.18,667.71 1993.18,1075.12 1887.34,1180.96 1887.34,1597.66 v1(1870,1615)
CUR_IN_B+: C3006.1 C3007.1 D1005.1 D3001.1 R3003.1 U3002.3 X1002.7 | length 2351
  Top Layer w7: X1002.7@1851.41,191.29 X1002.7@1851.41,491.29 D1005.1@1851.41,606.71 ; v1(2396,1611) 2489.12,1611 2492.2,1607.92 D3001.1@2492.2,1606.92